# Altium PCB BusAdaptor - 副本.PcbDoc
Units mil, origin at the board's own origin, x right, y up, seen from the top; angles counter-clockwise.
Board outline 2005.19 x 1181.26 mil, 4 copper layers (Top Layer, GND, POWER, Bottom Layer), stack 23.756 mil thick; 144 components, 102 nets, 555 pads, 114 vias.
Unrouted connection lines stored in the file: 110.
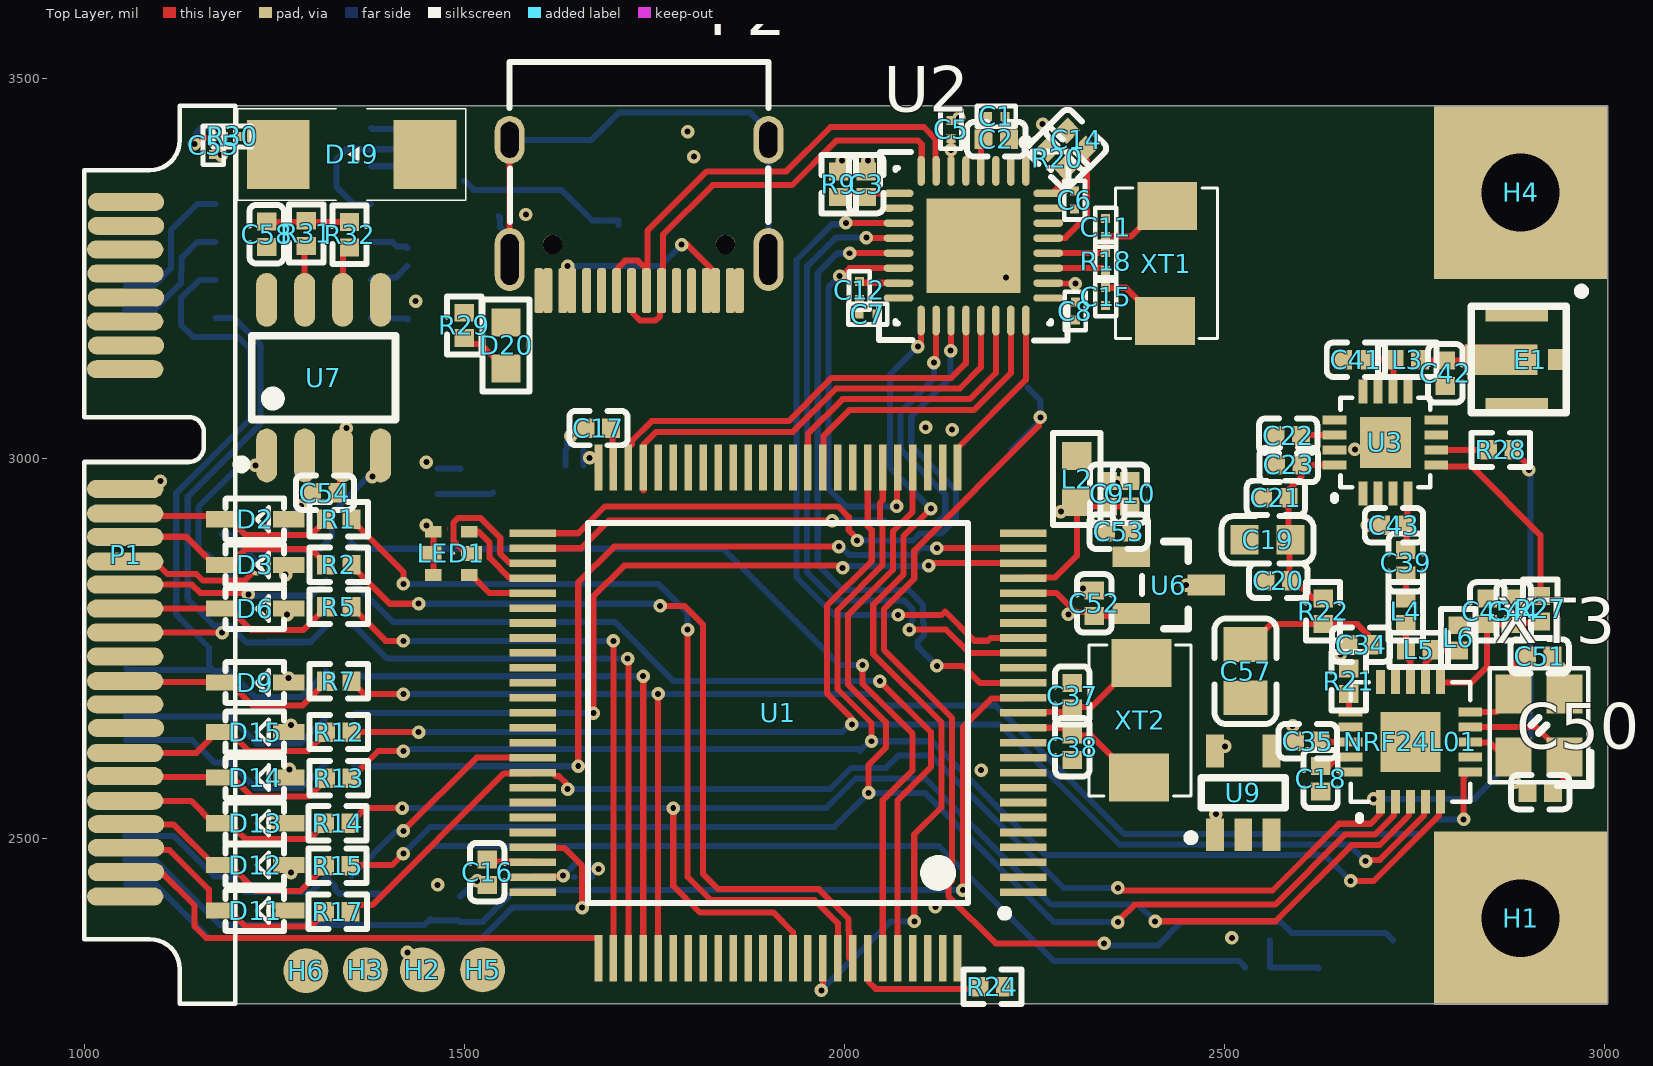
[diagram p0: Top Layer view]
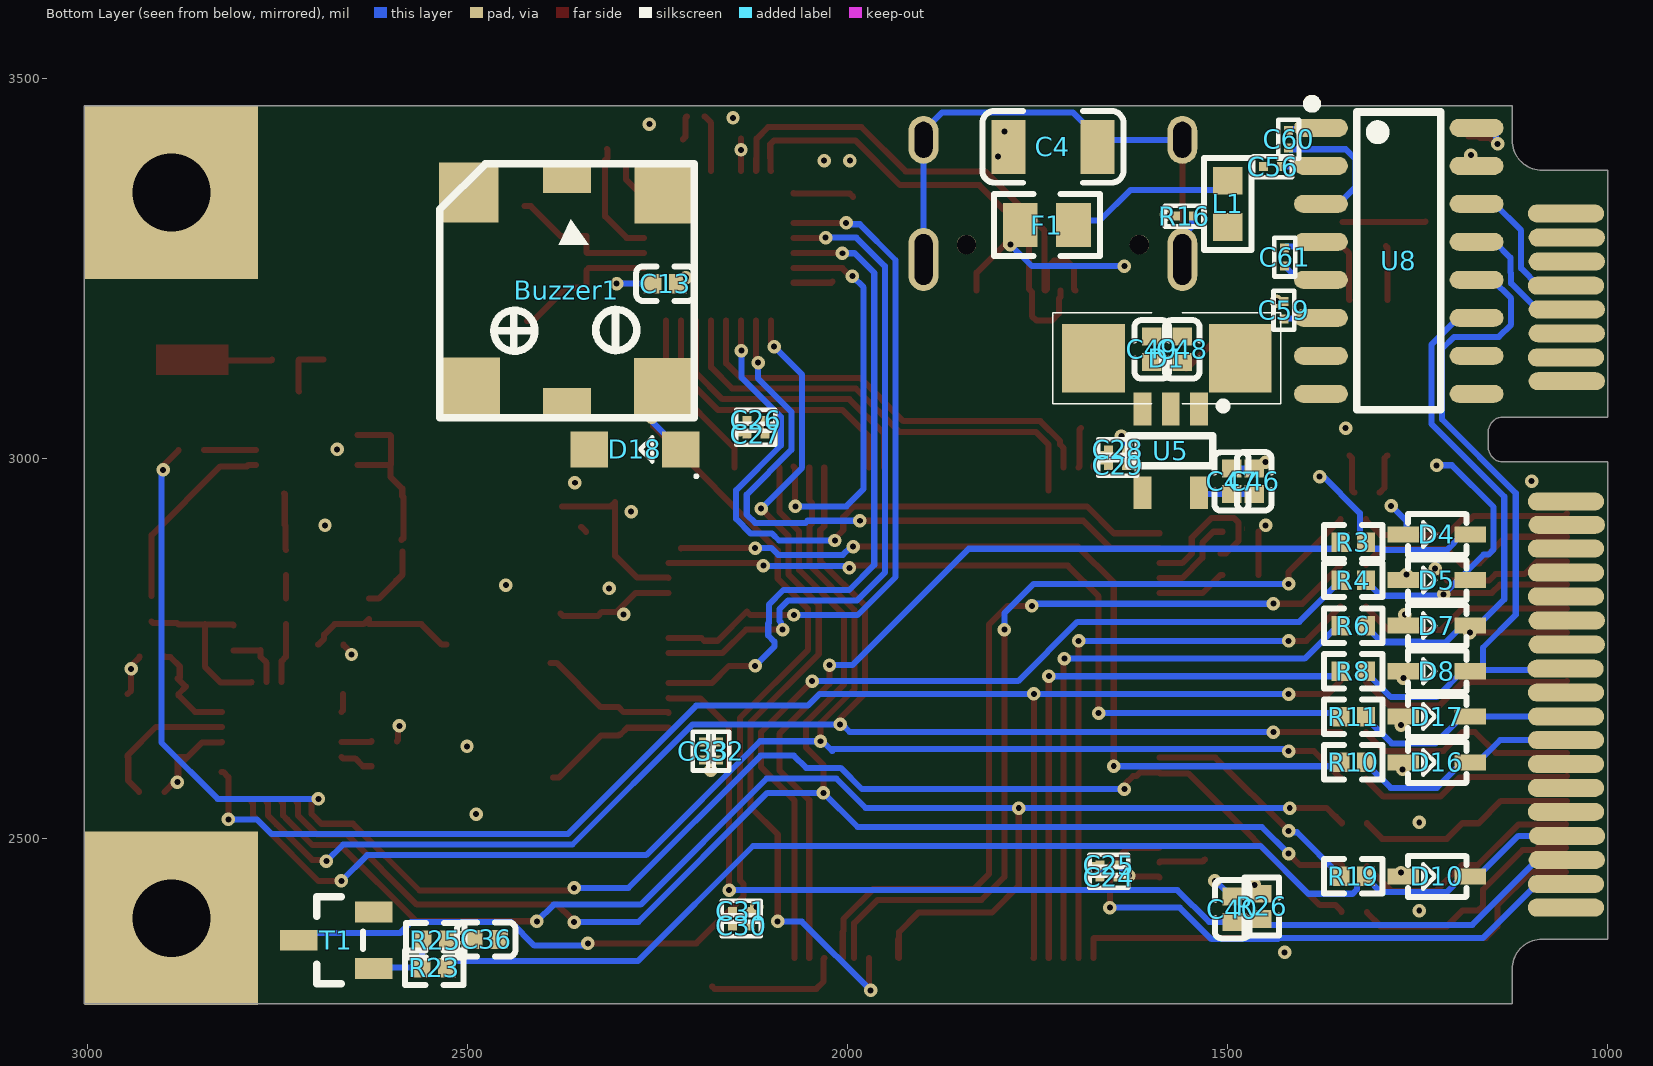
[diagram p1: Bottom Layer view, seen from below]
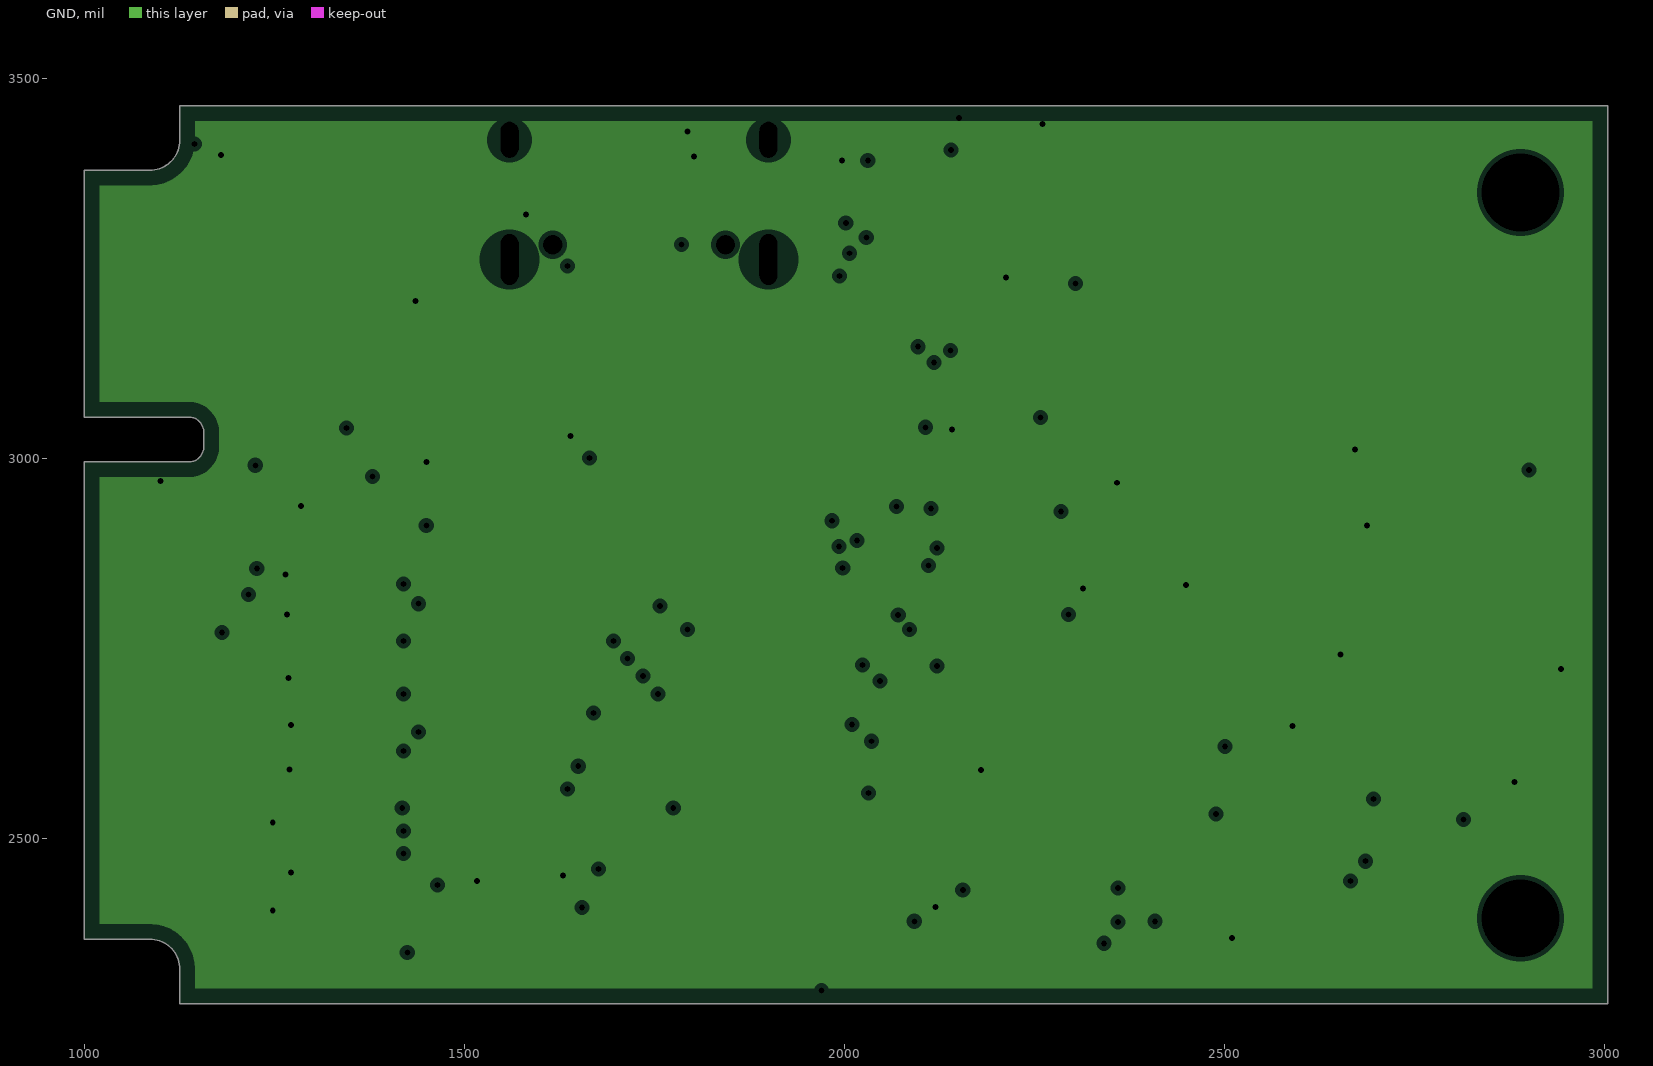
[diagram p2: GND, clearances drawn from the general rule]
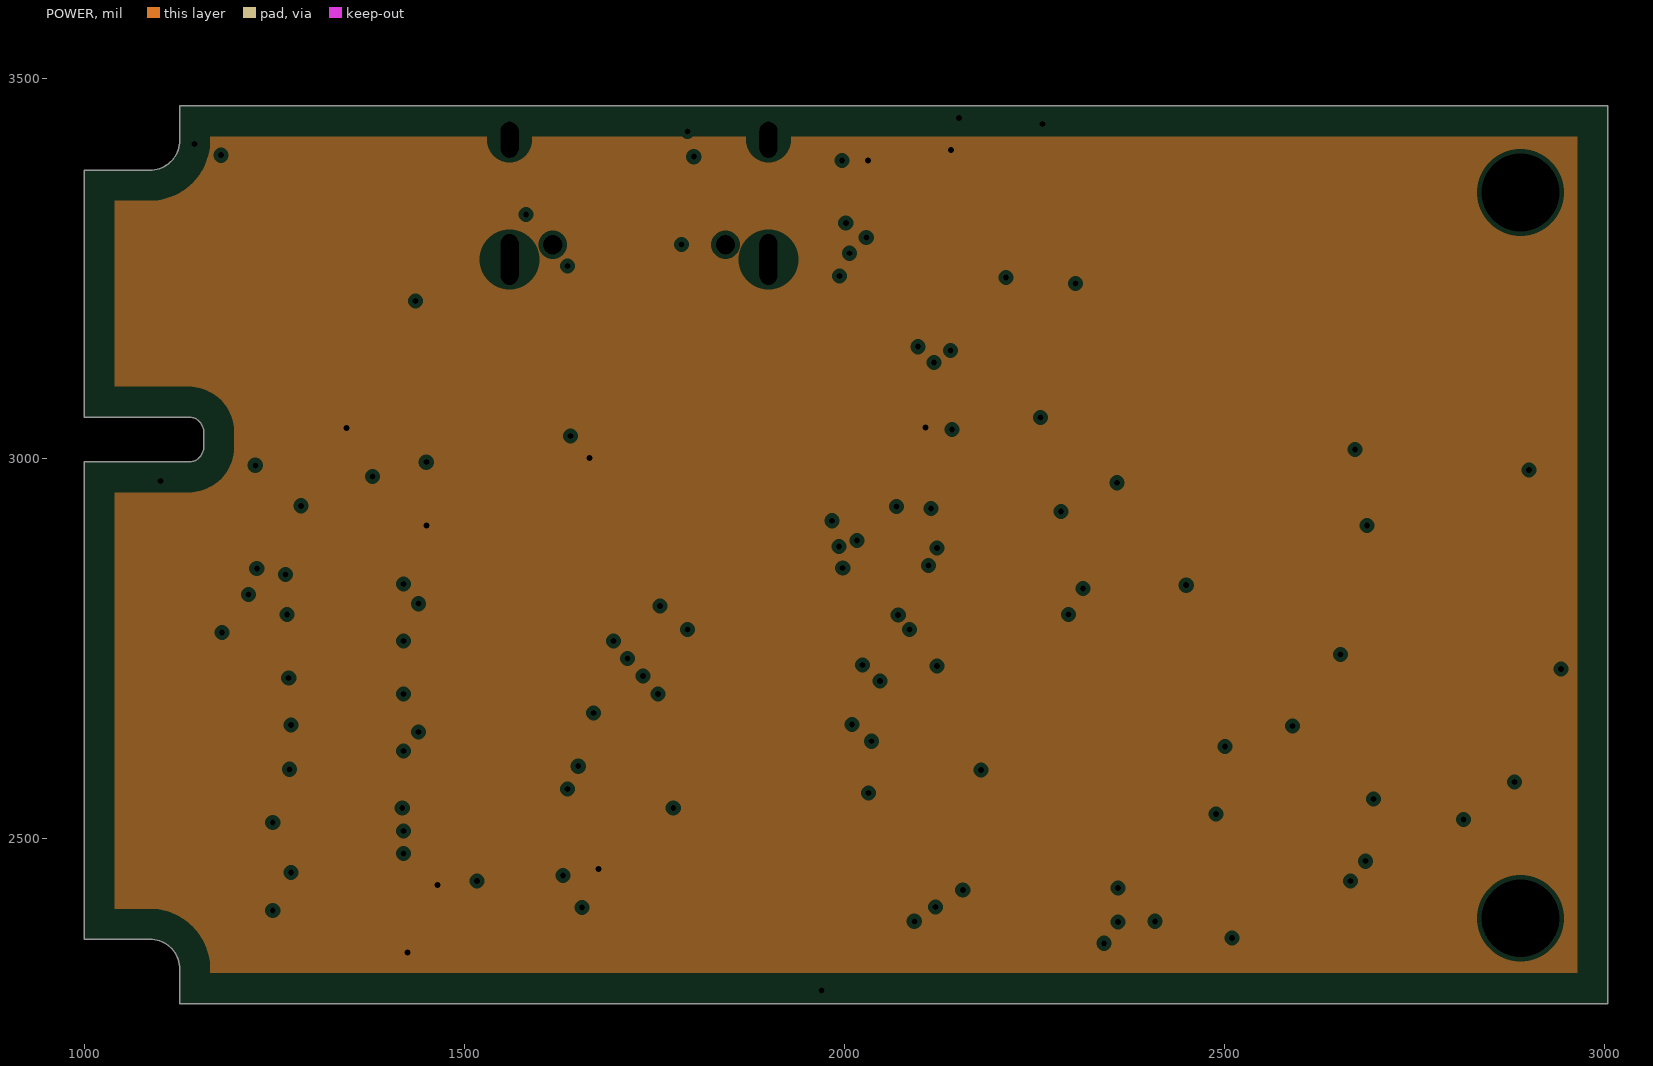
[diagram p3: POWER, clearances drawn from the general rule]
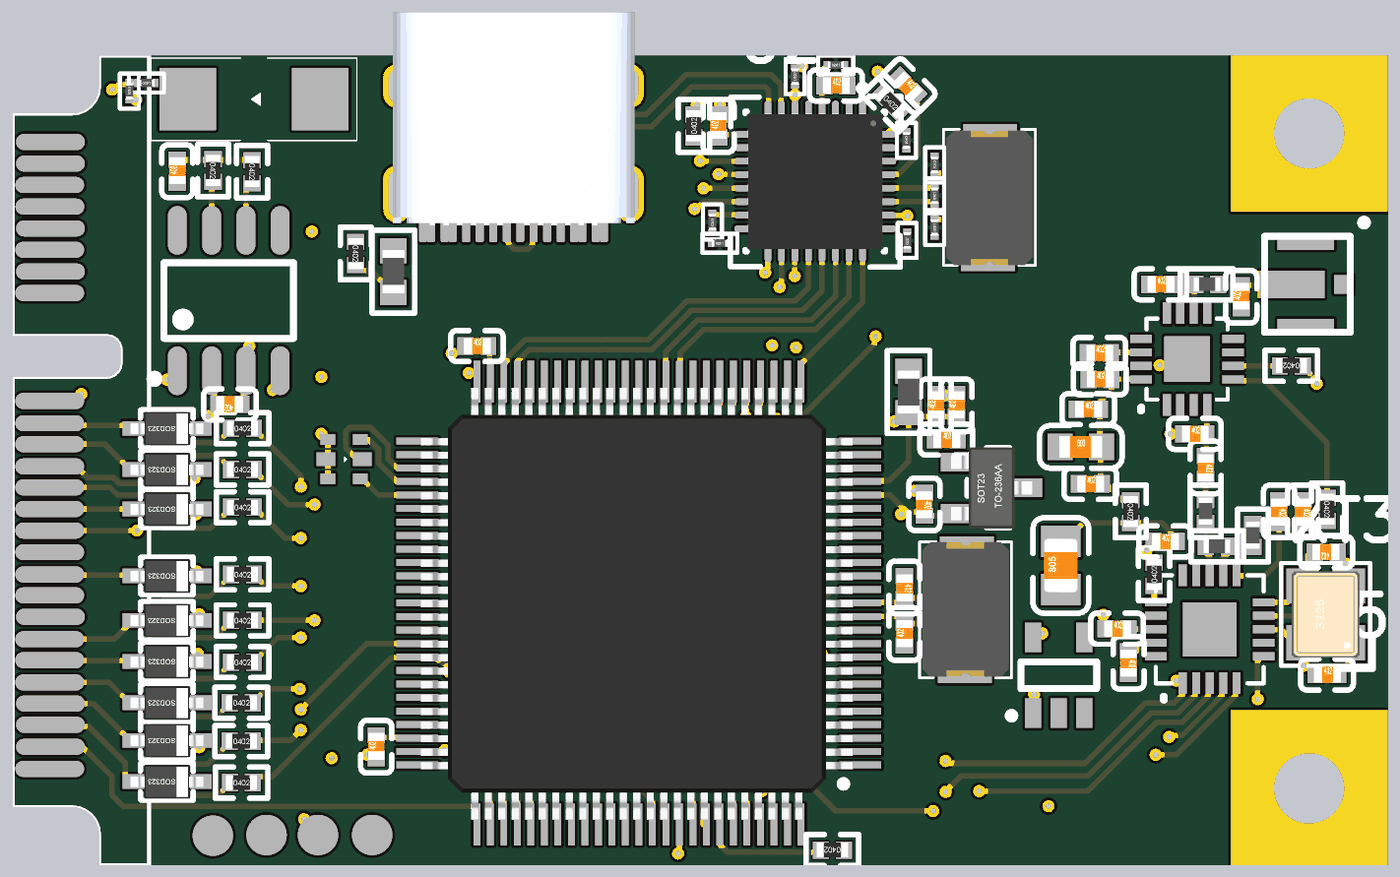
[diagram p4: 3D render of the assembled board from above, using the file's embedded part models]
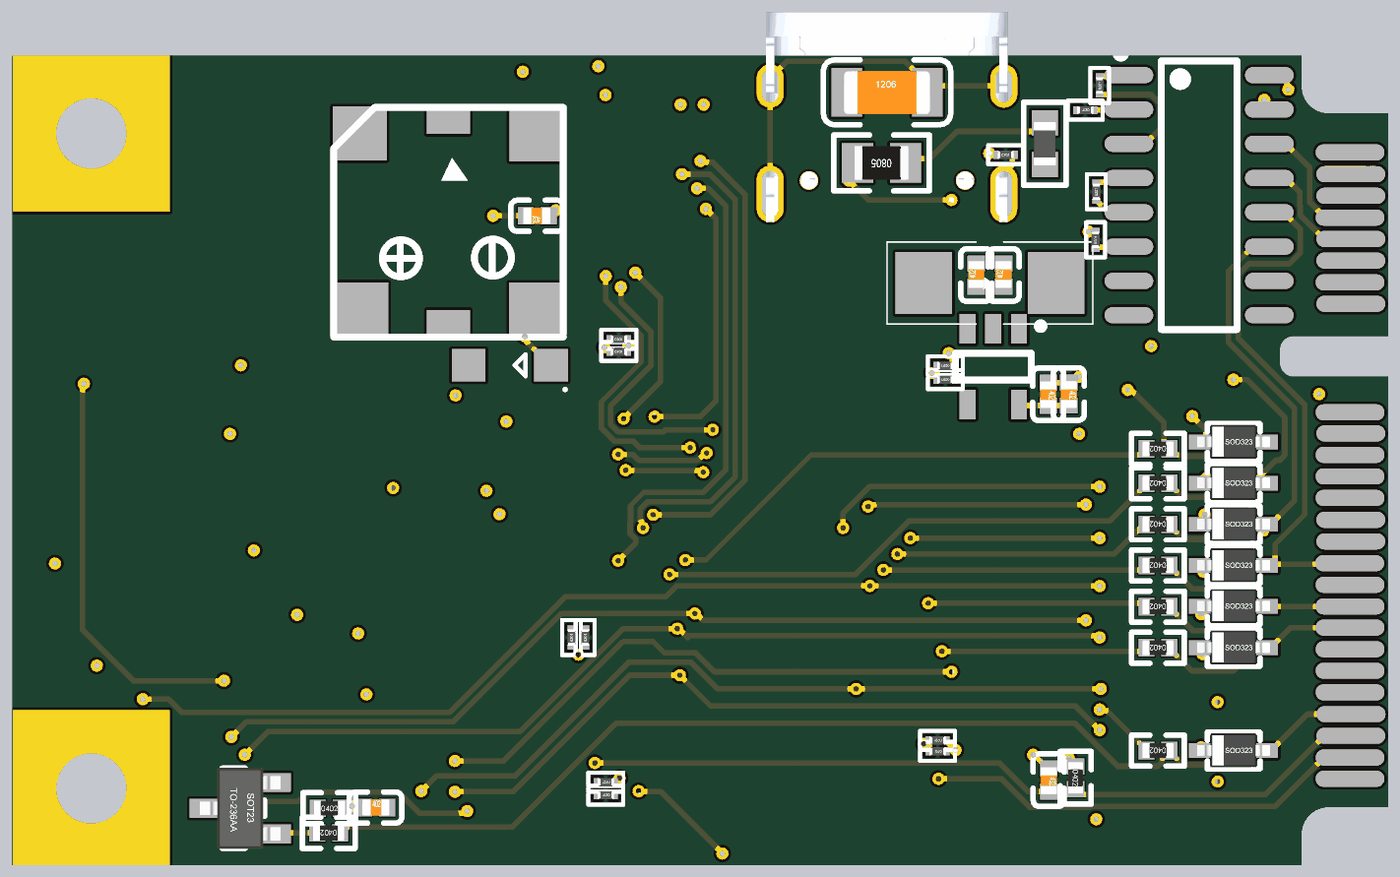
[diagram p5: 3D render of the assembled board from below, using the file's embedded part models]

## Layer stack, top to bottom
Top Solder: solder mask 0.4, Solder Resist, Dk 3.5
Top Layer: signal copper 1.4
Dielectric 2: prepreg 2.8, PP-006, Dk 4.1
GND: plane copper 1.3778, net GND
Dielectric 1: dielectric 12.6, FR-4, Dk 4.8
POWER: plane copper 1.3778, net 3.3V
Dielectric 3: prepreg 2.8, PP-006, Dk 4.1
Bottom Layer: signal copper 1.4
Bottom Solder: solder mask 0.4, Solder Resist, Dk 3.5

## Board outline
999.71,2367.44 1086.32,2367.44 cw(c1086.32,2328.07) 1125.69,2328.07 1125.69,2282.64 3004.91,2282.64 3004.91,3463.89 1125.69,3463.89 1125.69,3418.62 cw(c1086.32,3418.62) 1086.32,3379.25 999.71,3379.25 999.71,3054.45 1137.51,3054.45 cw(c1137.51,3034.76) 1157.19,3034.76 1157.19,3015.08 cw(c1137.51,3015.08) 1137.51,2995.39 999.71,2995.39

## Design rules (kind name [scope] priority, off if disabled: settings)
Clearance [All] p1: gap=6 ignorepadtopadclearanceinfootprint=TRUE except(0: Arc-Hole Track-Hole SMDPad-Hole THPad-Hole Via-Hole Fill-Hole Poly-Hole Region-Hole Text-Hole)
ComponentClearance [All] p1: gap=0 collisioncheckmode=3 verticalgap=0 showdistances=FALSE
DiffPairsRouting [All] p1: maxlimit=10 minlimit=10 mostfreqgap=10 toplayer_minwidth=8 toplayer_maxwidth=15 toplayer_prefwidth=15 bottomlayer_minwidth=8 bottomlayer_maxwidth=15 bottomlayer_prefwidth=15 maxuncoupledlength=500
HoleSize [All] p1: absolutevalues=TRUE maxlimit=118.11 minlimit=9.84 maxpercent=80.000 minpercent=20.000
MinimumSolderMaskSliver [All] p1: minsoldermaskwidth=0
PlaneClearance [All] p1: clearance=6
PlaneConnect [All] p1: planeconnectstyle=Direct reliefexpansion=20 reliefentries=4 reliefconductorwidth=10 reliefairgap=10
PolygonConnect [All] p1: connectstyle=Direct reliefconductorwidth=10 reliefentries=4 polygonreliefangle="90 Angle" airgapwidth=10
RoutingVias [All] p1: holewidth=7.87 width=17.72 viastyle="Through Hole" minholewidth=7.87 minwidth=17.72 maxholewidth=7.87 maxwidth=17.72
SilkToSilkClearance [All] p1: silktosilkclearance=0
SilkToSolderMaskClearance [IsPad] p1: minsilkscreentomaskgap=0 clearancetoexposedcopper=TRUE
SolderMaskExpansion [All] p1: expansion=4
Width Width_1 [All] p1: maxlimit=10 minlimit=8 preferedwidth=8 minimp=50.000000 maximp=50.000000 favimp=50.000000
Width Width_Power [InNetClass('POWER')] p2: maxlimit=50 minlimit=20 preferedwidth=20
22 further rules are at their usual default settings.

## Classes and differential pairs
net class POWER: 3.3V 3.3VA 3.3VPA 3.3VREF 3.3VRF 5V GND
differential pair USB: +USB_P -USB_N

## Components (designator, comment, footprint, x,y, rotation, side; value= is the part's Value field where it differs from the comment)
Buzzer1 "Buzzer_8530" BUZZER_8530 2370,3221 r270 bottom
C1 "0.1uF" 0201 2200,3450 r0 top
C2 "10uF" 0402_C 2200,3420 r0 top
C3 "10uF" 0402_C 2029,3361 r90 top
C4 "1000pF/2KV" 1206_C 1730,3410 r180 bottom
C5 "0.1uF" 0201 2140.47,3433 r270 top
C6 "0.1uF" 0201 2303,3340 r270 top
C7 "0.1uF" 0201 2030.94,3190 r0 top
C8 "0.1uF" 0201 2304,3194 r90 top
C9 "10uF" 0402_C 2346,2953.59 r90 top
C10 "10uF" 0402_C 2375.94,2953.59 r90 top
C11 "15pF" 0201 2344,3304.19 r270 top
C12 "0.1uF" 0201 2020,3221 r90 top
C13 "4.7uF" 0402_C 2240,3230 r0 bottom
C14 "4.7uF" 0402_C 2305,3419.21 r315 top
C15 "15pF" 0201 2344,3212.81 r90 top
C16 "2.2uF" 0402_C 1530,2455.7 r90 top
C17 "2.2uF" 0402_C 1676.61,3040 r0 top
C18 "33nF" 0402_C 2626.73,2578.27 r270 top
C19 "22uF" 0603_C 2557,2893 r0 top
C20 "2.2uF" 0402_C 2571,2839 r0 top
C21 "0.1uF" 0402_C 2568,2948 r0 top
C22 "10nF" 0402_C 2584.07,3030 r0 top
C23 "220pF" 0402_C 2585,2991.47 r0 top
C24 "1uF" 0201 1656.31,2449.02 r0 bottom
C25 "0.1uF" 0201 1656.31,2465 r0 bottom
C26 "1uF" 0201 2121,3050 r180 bottom
C27 "1uF" 0201 2121,3032 r180 bottom
C28 "0.1uF" 0201 1645,3011.21 r0 bottom
C29 "1uF" 0201 1645,2991 r0 bottom
C30 "0.1uF" 0201 2140,2385 r0 bottom
C31 "1uF" 0201 2140,2404 r0 bottom
C32 "0.1uF" 0201 2170,2615 r90 bottom
C33 "0.1uF" 0201 2190,2615 r90 bottom
C34 "10nF" 0402_C 2680,2755 r0 top
C35 "1nF" 0402_C 2610,2627.86 r0 top
C36 "10uF" 0402_C 2475.73,2367 r180 bottom
C37 "15pF" 0402_C 2300,2688 r270 top
C38 "15pF" 0402_C 2300,2620 r90 top
C39 "1.5pF" 0402_C 2739.02,2863 r270 top
C40 "10uF" 0402_C 1494.3,2407 r270 bottom
C41 "1.0pF" 0402_C 2673.29,3130 r0 top
C42 "1.0pF" 0402_C 2791.02,3112 r90 top
C43 "1pF" 0402_C 2723.29,2912 r0 top
C44 "2.2nF" 0402_C 2881.02,2798.73 r270 top
C45 "4.7pF" 0402_C 2846.02,2798.73 r270 top
C46 "10uF" 0402_C 1465,2970 r270 bottom
C47 "0.1uF" 0402_C 1495,2969.75 r270 bottom
C48 "0.1uF" 0402_C 1560,3143.56 r90 bottom
C49 "10uF" 0402_C 1600,3143.56 r90 bottom
C50 "22pF" 0402_C 2916.02,2561 r0 top
C51 "22pF" 0402_C 2915,2739.44 r180 top
C52 "0.1uF" 0402_C 2329,2809.27 r270 top
C53 "10uF" 0402_C 2361,2903.54 r0 top
C54 "100nF" 0402_C 1316.73,2955 r180 top
C55 "100nF" 0201 1170,3411.81 r270 top
C56 "100nF" 0201 1441,3384 r0 bottom
C57 "47uF" 0805_C 2528,2720 r90 top
C58 "47nF" 0402_C 1240,3295 r90 top
C59 "100nF" 0201 1426,3195 r90 bottom
C60 "100nF" 0201 1420,3420 r90 bottom
C61 "100nF" 0201 1425,3265 r90 bottom
D1 "SMBJ5A" SMB 1580,3131.83 r180 bottom
D2 "BV03CW" SOD323 1225,2920 r180 top
D3 "BV03CW" SOD323 1225,2860 r180 top
D4 "BV03CW" SOD323 1225,2900 r180 bottom
D5 "BV03CW" SOD323 1225,2840 r180 bottom
D6 "BV03CW" SOD323 1225,2802.43 r180 top
D7 "BV03CW" SOD323 1225,2780 r180 bottom
D8 "BV03CW" SOD323 1225,2720 r180 bottom
D9 "BV03CW" SOD323 1225,2705 r180 top
D10 "BV03CW" SOD323 1225,2450 r180 bottom
D11 "BV03CW" SOD323 1225,2405 r180 top
D12 "BV03CW" SOD323 1225,2465 r180 top
D13 "BV03CW" SOD323 1225,2520 r180 top
D14 "BV03CW" SOD323 1225,2580 r180 top
D15 "BV03CW" SOD323 1225,2640 r180 top
D16 "BV03CW" SOD323 1225,2600 r180 bottom
D17 "BV03CW" SOD323 1225,2660.42 r180 bottom
D18 "SM4001PL" SOD-123FL 2280,3012 r0 bottom
D19 "SMBJ3.3A" SMB 1351.73,3400 r180 top
D20 "LED" 0603_L 1555,3148.61 r90 top
E1 "Antenna" IPEX 2885,3130 r270 top
F1 "500mA" 0805_R 1738,3307 r0 bottom
H1 "Φ2.6" HOLD 2890,2395 r0 top
H2 "T" TESTPOINT 1445,2327 r90 top
H3 "T" TESTPOINT 1370,2327 r90 top
H4 "Φ2.6" HOLD 2890,3350 r0 top
H5 "T" TESTPOINT 1524,2327 r90 top
H6 "T" TESTPOINT 1291.73,2326 r90 top
L1 "120R@100M" 0603_L 1500,3335 r90 bottom
L2 "1K@100MHz" 0603_L 2306,2972.91 r90 top
L3 "3.9nH" 0402_L 2740.76,3130 r0 top
L4 "3.9nH" 0402_L 2739.02,2798.73 r90 top
L5 "8.2nH" 0402_L 2756.02,2748 r180 top
L6 "2.7nH" 0402_L 2808,2763.74 r90 top
LED1 "RGB-1.6x1.6" RGB-1.6X1.6 1483,2875 r0 top
NRF24L01 "NRF24L01" QFN-20_4X4X05P 2745.02,2627 r90 top locked
P1 "MINI_PCIE" MINIPCIE 1055,3337.59 r270 top locked
P2 "TYPE_C" TYPE-C-TOP 1730,3320 r90 top locked
R1 "0R" 0402_R 1335,2920 r0 top
R2 "0R" 0402_R 1335,2860 r0 top
R3 "0R" 0402_R 1335,2890 r0 bottom
R4 "0R" 0402_R 1335,2840 r0 bottom
R5 "0R" 0402_R 1335,2805 r0 top
R6 "0R" 0402_R 1335,2780 r0 bottom
R7 "0R" 0402_R 1335,2706.96 r0 top
R8 "0R" 0402_R 1335,2720 r0 bottom
R9 "4.7K" 0402_R 1993,3361 r90 top
R10 "0R" 0402_R 1335,2600 r0 bottom
R11 "0R" 0402_R 1335,2660 r0 bottom
R12 "0R" 0402_R 1335,2640 r0 top
R13 "0R" 0402_R 1335,2579.07 r0 top
R14 "0R" 0402_R 1333.27,2520 r0 top
R15 "0R" 0402_R 1333.27,2463.9 r0 top
R16 "1M" 0201 1557,3319 r180 bottom
R17 "0R" 0402_R 1333.46,2403.37 r0 top
R18 "1M" 0201 2344,3259.35 r90 top
R19 "0R" 0402_R 1335,2450 r0 bottom
R20 "12K 1%" 0402_R 2280,3395 r315 top
R21 "22K 1%" 0402_R 2664,2707 r90 top
R22 "22K 1%" 0402_R 2630,2798.73 r270 top
R23 "510R" 0402_R 2544,2330 r0 bottom
R24 "10K" 0402_R 2195,2305 r180 top
R25 "10K" 0402_R 2543,2366 r180 bottom
R26 "10K" 0402_R 1455,2410.47 r270 bottom
R27 "1K" 0402_R 2916.02,2802 r270 top
R28 "1K" 0402_R 2864.07,3011.16 r180 top
R29 "1K" 0402_R 1500,3175 r270 top
R30 "0R" 0201 1195,3423.62 r0 top
R31 "60R" 0402_R 1292,3296 r270 top
R32 "60R" 0402_R 1349,3294.27 r270 top
T1 "S8050" SOT-23(SOT-23-3) 2673,2366 r180 bottom
U1 "STM32F407VGT6" TQFP-100 1912.83,2665.32 r180 top locked
U2 "HS USB PHY" QFN50P500X500X100-32N 2170,3280 r90 top locked
U3 "RFX2401C" RFX2401C 2712.02,3021 r90 top
U5 "SPX3819M5-L-3-3" SOT-23-5 1575,3010 r90 bottom
U6 "REF3033" SOT-23(SOT-23-3) 2427,2833.27 r180 top
U7 "SN65HVD230DR" SOIC-8_150mil 1315,3106.34 r0 top
U8 "MAX3232CSE" SOIC-16_150mil 1275,3260 r270 bottom locked
U9 "LP5907" SOT-23-5 2525,2560 r270 top
XT1 "24M" CRYSTAL-SMD-5032 2423,3182 r90 top
XT2 "8M" CRYSTAL-SMD-5032 2390,2730 r270 top
XT3 "16M" "OSC 3225-4P" 2914.07,2648.73 r90 top

## Footprints (in the part's own frame and the unit in brackets; to place one, negate y for a bottom-side part, rotate by r counter-clockwise, add the part's x,y. Pads: shape width x height; smd on the part's side, far side on the other; paste and mask are expansions set on the pad)
0201 [mm]
  rect 0.3x0.3 smd: 1(-0.3,0) 2(0.3,0)
  silkscreen extent -0.65,-0.35 0.65,0.35, body extent -0.3,-0.15 0.3,0.15, height 0.23
0402_C [mm]
  rect 0.6x0.65 smd mask+0.051: 1(-0.425,0) 2(0.425,0)
  silkscreen extent -0.97,-0.58 0.98,0.58, body extent -0.48,-0.3 0.52,0.3, height 0.2
0402_L [mm]
  rect 0.6x0.65 smd mask+0.051: 1(-0.425,0) 2(0.425,0)
  silkscreen extent -0.98,-0.57 0.98,0.58, body extent -0.51,-0.26 0.54,0.26, height 0.36
0402_R [mm]
  rect 0.6x0.65 smd mask+0.051: 1(-0.425,0) 2(0.425,0)
  silkscreen extent -0.97,-0.58 0.97,0.58, body extent -0.57,-0.27 0.58,0.28, height 0.41
0603_C [mm]
  rect 0.93x0.98 smd: 1(-0.77,0) 2(0.77,0)
  silkscreen extent -1.53,-0.79 1.54,0.79, body extent -0.8,-0.4 0.8,0.4, height 0.3
0603_L [mm]
  rect 0.93x0.98 smd: 1(-0.77,0) 2(0.77,0)
  silkscreen extent -1.53,-0.79 1.54,0.79, body extent -0.82,-0.41 0.83,0.41, height 0.46
0805_C [mm]
  rect 1.16x1.47 smd: 1(-0.89,0) 2(0.89,0)
  silkscreen extent -1.77,-1.04 1.77,1.04, body extent -1,-0.62 1,0.63, height 0.77
0805_R [mm]
  rect 1.16x1.47 smd: 1(-0.89,0) 2(0.89,0)
  silkscreen extent -1.77,-1.04 1.77,1.03, body extent -1,-0.63 1,0.63, height 0.49
1206_C [mm]
  rect 1.13x1.8 smd: 1(-1.49,0) 2(1.49,0)
  silkscreen extent -2.36,-1.2 2.35,1.2, body extent -1.6,-0.81 1.6,0.79, height 1
BUZZER_8530 [mm]
  rect 2x2 smd: 1(3.242,-3.217) 2(3.251,3.26) ""(-3.277,-3.267) ""(-3.242,3.267)
  rect 1x1.6 smd: ""(-3.759,0.009) ""(3.759,0.009)
  silkscreen extent -4.24,-4.23 4.26,4.27, body extent -4.24,-4.23 4.26,4.27, height 0.25
CRYSTAL-SMD-5032 [mm]
  rect 1.6x2 smd: 1(-0.025,0.025) 2(3.81,-0.051)
  silkscreen extent -0.62,-1.73 4.42,1.68, body extent -0.62,-1.63 4.38,1.57, height 1.35
HOLD [mm]
  rect 5.8x5.8 hole 2.6: 11(0,0)
IPEX [mil]
  rect 40x95 smd: 1(0,-20)
  rect 19.68x82.68 smd: 2(-60,0) 2(60,0)
  rect 27.56x27.56 smd: 2(0,55)
  Top Layer region: -20,-70 20,-70 20,25 -20,25
  silkscreen extent -95,-60 70,90
MINIPCIE [mm]
  oval 0.6x2.55 smd: 1(0,0) 3(0.8,0) 5(1.593,-0.029) 7(2.395,-0.021) 9(3.2,0) 11(3.993,-0.029) 13(4.8,0) 15(5.593,-0.029) 17(9.593,-0.029) 19(10.418,-0.029) 21(11.193,-0.029) 23(12.018,-0.029) 25(12.793,-0.029) 27(13.593,-0.029) 29(14.393,-0.029) 31(15.193,-0.029) 33(16.018,-0.029) 35(16.793,-0.029) 37(17.586,0) 39(18.418,-0.029) 41(19.193,-0.029) 43(20.018,-0.029) 45(20.8,0) 47(21.586,0) 49(22.4,0) 51(23.218,-0.029)
  oval 0.6x2.55 smd far side: 2(0.386,0) 4(1.193,-0.029) 6(1.993,-0.029) 8(2.8,0) 10(3.593,-0.029) 12(4.393,-0.029) 14(5.2,0) 16(5.993,-0.029) 18(10.015,0) 20(10.793,-0.029) 22(11.586,0) 24(12.386,0) 26(13.186,0) 28(13.993,-0.029) 30(14.793,-0.029) 32(15.603,0.013) 34(16.4,0) 36(17.2,0) 38(17.986,0) 40(18.786,0) 42(19.586,0) 44(20.386,0) 46(21.191,-0.038) 48(21.993,-0.029) 50(22.8,0) 52(23.586,0)
  silkscreen extent -3.21,-1.4 26.8,3.65
"OSC 3225-4P" [mm] "3.2*2.5*0.7mm(长宽高)                         淘宝ID:黄晶宝石"
  rect 1.3x1.2 smd: 1(-1.05,-0.85) 2(1.05,-0.85) 3(1.05,0.85) 4(-1.05,0.85)
  silkscreen extent -2.03,-1.75 1.91,1.65, body extent -1.6,-1.25 1.6,1.25, height 0.7
QFN50P500X500X100-32N [mm]
  rect 3.15x3.15 smd: 0(0,0)
  oval 1x0.25 smd: 1(2.5,-1.75) 2(2.5,-1.25) 3(2.5,-0.75) 4(2.5,-0.25) 5(2.5,0.25) 6(2.5,0.75) 7(2.5,1.25) 8(2.5,1.75) 17(-2.5,1.75) 18(-2.5,1.25) 19(-2.5,0.75) 20(-2.5,0.25) 21(-2.5,-0.25) 22(-2.5,-0.75) 23(-2.5,-1.25) 24(-2.5,-1.75)
  oval 0.25x1 smd: 9(1.75,2.5) 10(1.25,2.5) 11(0.75,2.5) 12(0.25,2.5) 13(-0.25,2.5) 14(-0.75,2.5) 15(-1.25,2.5) 16(-1.75,2.5) 25(-1.75,-2.5) 26(-1.25,-2.5) 27(-0.75,-2.5) 28(-0.25,-2.5) 29(0.25,-2.5) 30(0.75,-2.5) 31(1.25,-2.5) 32(1.75,-2.5)
  silkscreen extent -3.17,-3.17 3.57,3.15, body extent -2.5,-2.51 2.52,2.51, height 0.8
QFN-20_4X4X05P [mm]
  rect 2x2 smd: 0(0,0)
  rect 0.8x0.3 smd: 1(-2,1) 2(-2,0.5) 3(-2,0) 4(-2,-0.5) 5(-2,-1) 11(2,-1) 12(2,-0.5) 13(2,0) 14(2,0.5) 15(2,1)
  rect 0.3x0.8 smd: 6(-1,-2) 7(-0.5,-2) 8(0,-2) 9(0.5,-2) 10(1,-2) 16(1,2) 17(0.5,2) 18(0,2) 19(-0.5,2) 20(-1,2)
  silkscreen extent -2.6,-2 2,2
RFX2401C [mm]
  rect 1.7x1.7 smd: 0(0,0)
  rect 0.8x0.3 smd: 1(-1.7,0.75) 2(-1.7,0.25) 3(-1.7,-0.25) 4(-1.7,-0.75) 9(1.7,-0.75) 10(1.7,-0.25) 11(1.7,0.25) 12(1.7,0.75)
  rect 0.3x0.8 smd: 5(-0.75,-1.7) 6(-0.25,-1.7) 7(0.25,-1.7) 8(0.75,-1.7) 13(0.75,1.7) 14(0.25,1.7) 15(-0.25,1.7) 16(-0.75,1.7)
  silkscreen extent -1.9,-1.5 1.5,1.7
RGB-1.6X1.6 [mm]
  rect 0.55x0.4 smd: 1(0.6,0.725) 2(-0.6,0.725) 5(0.6,-0.725) 6(-0.6,-0.725)
  rect 0.7x0.5 smd: 3(0.675,0) 4(-0.675,0)
  Top Layer region: -0.127,0.762 -0.127,0.889
  silkscreen extent 0,-0.13 0.13,0.13